# KiCad board k8split.kicad_pcb
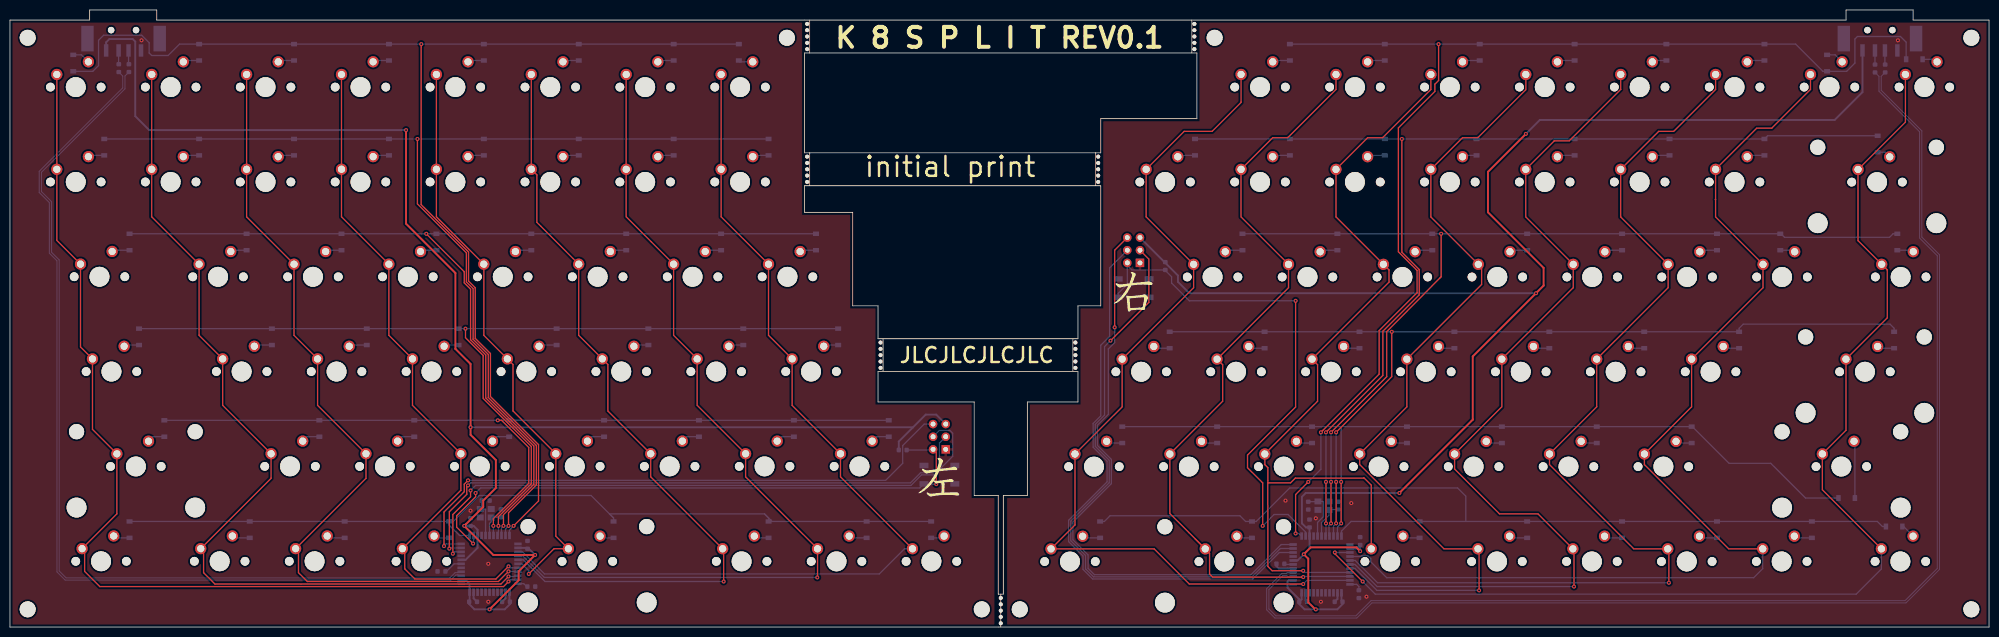
[diagram p0: board, top side]
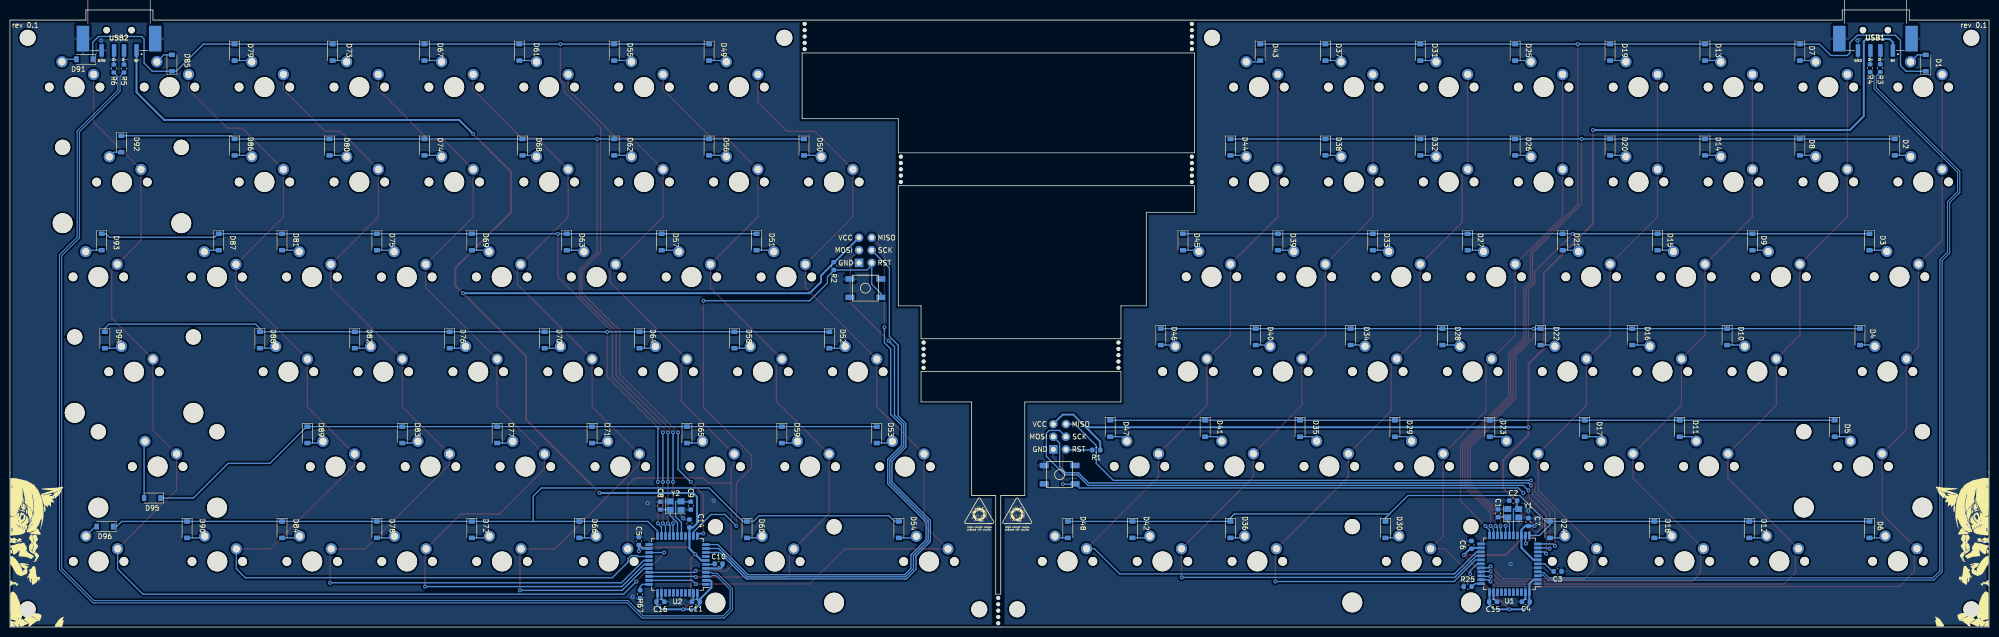
[diagram p1: board, bottom side, seen from below]

Outline 397.26 x 123.95 mm; copper layers: Top, Bottom. Coordinates in mm from the lower left corner of the outline.
Outline path: 0,121.92 0,0 397.26,0 397.26,121.92 382.02,121.92 382.02,123.95 368.55,123.95 368.55,121.92 29.46,121.92 29.46,123.95 16,123.95 16,121.92 0,121.92 ; 159.51,95.25 159.51,115.32 238.25,115.32 238.25,102.11 218.95,102.11 218.95,95.25 159.51,95.25 ; 159.51,83.31 159.51,88.65 218.95,88.65 218.95,64.52 214.38,64.52 214.38,57.91 174.24,57.91 174.24,64.52 169.16,64.52 169.16,83.31 159.51,83.31 ; 174.24,51.31 214.38,51.31 214.38,45.21 204.22,45.21 204.22,26.42 199.39,26.42 199.39,6.6 198.37,6.6 198.37,26.42 193.55,26.42 193.55,45.21 174.24,45.21 174.24,51.31

## Placement (name value [footprint] x y rotation side)
C1  22pF  [C_0603_1608Metric]  98.55 22.86 90 bottom
C2  22pF  [C_0603_1608Metric]  95.5 25.4 0 bottom
C3  1uF  [C_0603_1608Metric]  86.61 11.18 180 bottom
C4  0.1uF  [C_0603_1608Metric]  92.96 5.08 0 bottom
C5  0.1uF  [C_0603_1608Metric]  271.02 17.27 90 bottom
C6  0.1uF  [C_0603_1608Metric]  103.89 16.51 90 bottom
C7  10uF  [C_0603_1608Metric]  92.46 21.08 90 bottom
C8  22pF  [C_0603_1608Metric]  266.7 24.38 90 bottom
C9  22pF  [C_0603_1608Metric]  260.6 24.38 270 bottom
C10  1uF  [C_0603_1608Metric]  255.02 12.7 180 bottom
C11  0.1uF  [C_0603_1608Metric]  259.59 5.08 0 bottom
C14  10uF  [C_0603_1608Metric]  260.86 20.8 90 bottom
C15  0.1uF  [C_0603_1608Metric]  99.57 5.08 180 bottom
C16  0.1uF  [C_0603_1608Metric]  266.7 5.08 180 bottom
D1  SOD123  [D_SOD-123]  12.7 113.28 90 bottom
D2  SOD123  [D_SOD-123]  18.92 96.39 270 bottom
D3  SOD123  [D_SOD-123]  24 77.34 270 bottom
D4  SOD123  [D_SOD-123]  25.91 58.29 270 bottom
D5  SOD123  [D_SOD-123]  30.99 39.88 270 bottom
D6  SOD123  [D_SOD-123]  24 19.56 270 bottom
D7  SOD123  [D_SOD-123]  37.97 115.44 270 bottom
D8  SOD123  [D_SOD-123]  37.97 96.39 270 bottom
D9  SOD123  [D_SOD-123]  47.5 77.34 270 bottom
D10  SOD123  [D_SOD-123]  52.58 58.29 270 bottom
D11  SOD123  [D_SOD-123]  62.1 39.88 270 bottom
D12  SOD123  [D_SOD-123]  48.13 19.56 270 bottom
D13  SOD123  [D_SOD-123]  57.02 115.44 270 bottom
D14  SOD123  [D_SOD-123]  57.02 96.39 270 bottom
D15  SOD123  [D_SOD-123]  66.55 77.34 270 bottom
D16  SOD123  [D_SOD-123]  71.63 58.29 270 bottom
D17  SOD123  [D_SOD-123]  81.15 39.88 270 bottom
D18  SOD123  [D_SOD-123]  67.18 19.56 270 bottom
D19  SOD123  [D_SOD-123]  76.07 115.44 270 bottom
D20  SOD123  [D_SOD-123]  76.07 96.39 270 bottom
D21  SOD123  [D_SOD-123]  85.6 77.34 270 bottom
D22  SOD123  [D_SOD-123]  90.04 58.29 270 bottom
D23  SOD123  [D_SOD-123]  100.2 39.88 270 bottom
D24  SOD123  [D_SOD-123]  88.14 19.56 270 bottom
D25  SOD123  [D_SOD-123]  95.12 115.44 270 bottom
D26  SOD123  [D_SOD-123]  95.12 96.39 270 bottom
D27  SOD123  [D_SOD-123]  104.65 77.34 270 bottom
D28  SOD123  [D_SOD-123]  109.73 58.29 270 bottom
D29  SOD123  [D_SOD-123]  119.25 39.88 270 bottom
D30  SOD123  [D_SOD-123]  121.16 19.56 270 bottom
D31  SOD123  [D_SOD-123]  114.17 115.44 270 bottom
D32  SOD123  [D_SOD-123]  114.17 96.39 270 bottom
D33  SOD123  [D_SOD-123]  123.7 77.34 270 bottom
D34  SOD123  [D_SOD-123]  128.14 58.29 270 bottom
D35  SOD123  [D_SOD-123]  138.3 39.88 270 bottom
D36  SOD123  [D_SOD-123]  152.27 19.56 270 bottom
D37  SOD123  [D_SOD-123]  133.22 115.44 270 bottom
D38  SOD123  [D_SOD-123]  133.22 96.39 270 bottom
D39  SOD123  [D_SOD-123]  142.75 77.34 270 bottom
D40  SOD123  [D_SOD-123]  147.19 58.29 270 bottom
D41  SOD123  [D_SOD-123]  157.35 39.88 270 bottom
D42  SOD123  [D_SOD-123]  171.96 19.56 270 bottom
D43  SOD123  [D_SOD-123]  146.3 115.44 270 bottom
D44  SOD123  [D_SOD-123]  152.27 96.39 270 bottom
D45  SOD123  [D_SOD-123]  161.8 77.34 270 bottom
D46  SOD123  [D_SOD-123]  166.24 58.29 270 bottom
D47  SOD123  [D_SOD-123]  176.4 39.88 270 bottom
D48  SOD123  [D_SOD-123]  184.91 19.56 270 bottom
D49  SOD123  [D_SOD-123]  256.92 115.44 270 bottom
D50  SOD123  [D_SOD-123]  237.87 96.39 270 bottom
D51  SOD123  [D_SOD-123]  247.4 77.34 270 bottom
D52  SOD123  [D_SOD-123]  232.79 57.66 270 bottom
D53  SOD123  [D_SOD-123]  223.27 38.61 270 bottom
D54  SOD123  [D_SOD-123]  218.82 19.56 270 bottom
D55  SOD123  [D_SOD-123]  275.97 115.44 270 bottom
D56  SOD123  [D_SOD-123]  256.92 96.39 270 bottom
D57  SOD123  [D_SOD-123]  266.45 77.34 270 bottom
D58  SOD123  [D_SOD-123]  251.84 57.66 270 bottom
D59  SOD123  [D_SOD-123]  242.32 38.61 270 bottom
D60  SOD123  [D_SOD-123]  249.3 19.56 270 bottom
D61  SOD123  [D_SOD-123]  295.02 115.44 270 bottom
D62  SOD123  [D_SOD-123]  275.97 96.39 270 bottom
D63  SOD123  [D_SOD-123]  285.5 77.34 270 bottom
D64  SOD123  [D_SOD-123]  270.89 57.66 270 bottom
D65  SOD123  [D_SOD-123]  261.37 38.61 270 bottom
D66  SOD123  [D_SOD-123]  282.96 19.56 270 bottom
D67  SOD123  [D_SOD-123]  314.07 115.44 270 bottom
D68  SOD123  [D_SOD-123]  294.39 96.39 270 bottom
D69  SOD123  [D_SOD-123]  304.55 77.34 270 bottom
D70  SOD123  [D_SOD-123]  289.94 57.66 270 bottom
D71  SOD123  [D_SOD-123]  280.42 38.61 270 bottom
D72  SOD123  [D_SOD-123]  304.55 19.56 270 bottom
D73  SOD123  [D_SOD-123]  332.49 115.44 270 bottom
D74  SOD123  [D_SOD-123]  314.07 96.39 270 bottom
D75  SOD123  [D_SOD-123]  323.6 77.34 270 bottom
D76  SOD123  [D_SOD-123]  308.99 57.66 270 bottom
D77  SOD123  [D_SOD-123]  299.47 38.61 270 bottom
D78  SOD123  [D_SOD-123]  323.6 19.56 270 bottom
D79  SOD123  [D_SOD-123]  352.17 115.44 270 bottom
D80  SOD123  [D_SOD-123]  333.12 96.39 270 bottom
D81  SOD123  [D_SOD-123]  342.65 77.34 270 bottom
D82  SOD123  [D_SOD-123]  328.04 57.66 270 bottom
D83  SOD123  [D_SOD-123]  318.52 38.61 270 bottom
D84  SOD123  [D_SOD-123]  342.65 19.56 270 bottom
D85  SOD123  [D_SOD-123]  364.74 113.28 90 bottom
D86  SOD123  [D_SOD-123]  352.17 96.39 270 bottom
D87  SOD123  [D_SOD-123]  355.35 77.34 270 bottom
D88  SOD123  [D_SOD-123]  347.09 57.66 270 bottom
D89  SOD123  [D_SOD-123]  337.57 38.61 270 bottom
D90  SOD123  [D_SOD-123]  361.7 19.56 270 bottom
D91  SOD123  [D_SOD-123]  382.27 114.05 0 bottom
D92  SOD123  [D_SOD-123]  374.9 97.03 270 bottom
D93  SOD123  [D_SOD-123]  378.84 77.34 270 bottom
D94  SOD123  [D_SOD-123]  378.21 57.66 270 bottom
D95  SOD123  [D_SOD-123]  368.68 25.91 0 bottom
D96  SOD123  [D_SOD-123]  378.21 20.19 0 bottom
G***  LOGO  [r]  225.3 67.31 0 top
G***#2  LOGO  [l]  186.44 29.97 0 top
G***#3  LOGO  [pppp]  6.07 16.51 180 bottom
G***#4  LOGO  [ppp]  391.29 16.48 180 bottom
G***#5  LOGO  [corona]  202.69 23.37 180 bottom
G***#6  LOGO  [corona]  195.07 23.37 180 bottom
H1  MountingHole  [MountingHole_3.2mm_M3]  3.56 118.36 0 top
H2  MountingHole  [MountingHole_3.2mm_M3]  3.56 3.56 0 top
H3  MountingHole  [MountingHole_3.2mm_M3]  155.96 118.36 0 top
H4  MountingHole  [MountingHole_3.2mm_M3]  195.07 3.56 0 top
H5  MountingHole  [MountingHole_3.2mm_M3]  241.81 118.36 0 top
H6  MountingHole  [MountingHole_3.2mm_M3]  202.69 3.56 0 top
H7  MountingHole  [MountingHole_3.2mm_M3]  393.7 118.36 0 top
H8  MountingHole  [MountingHole_3.2mm_M3]  393.7 3.56 0 top
J1  AVR-ISP-6  [Reset_Pretty]  186.56 38.23 0 top
J2  AVR-ISP-6  [Reset_Pretty]  225.55 75.69 0 top
J3  Breakaway_Tabs  [breakaway-mousebites]  160.27 91.95 90 top
J4  Breakaway_Tabs  [breakaway-mousebites]  199.14 3.3 90 top
J5  Breakaway_Tabs  [breakaway-mousebites]  175.01 54.61 90 top
J6  Breakaway_Tabs  [breakaway-mousebites]  213.61 54.61 270 top
J7  Breakaway_Tabs  [breakaway-mousebites]  218.19 91.95 270 top
J8  Breakaway_Tabs  [breakaway-mousebites]  160.27 118.62 90 top
J9  Breakaway_Tabs  [breakaway-mousebites]  237.49 118.62 270 top
MX1  MX-NoLED  [MXOnly-1U-NoLED]  13.21 108.46 0 top
MX2  MX-NoLED  [MXOnly-1U-NoLED]  13.21 89.41 0 top
MX3  MX-NoLED  [MXOnly-1.5U-NoLED]  17.97 70.37 0 top
MX4  MX-NoLED  [MXOnly-1.75U-NoLED]  20.37 51.32 0 top
MX5  MX-NoLED  [MXOnly-2.25U-NoLED]  25.27 32.26 0 top
MX6  MX-NoLED  [MXOnly-1.5U-NoLED]  18.29 13.21 0 top
MX7  MX-NoLED  [MXOnly-1U-NoLED]  32.26 108.46 0 top
MX8  MX-NoLED  [MXOnly-1U-NoLED]  32.26 89.41 0 top
MX9  MX-NoLED  [MXOnly-1U-NoLED]  41.77 70.35 0 top
MX10  MX-NoLED  [MXOnly-1U-NoLED]  46.51 51.32 0 top
MX11  MX-NoLED  [MXOnly-1U-NoLED]  56.22 32.27 0 top
MX12  MX-NoLED  [MXOnly-1U-NoLED]  42.1 13.21 0 top
MX13  MX-NoLED  [MXOnly-1U-NoLED]  51.31 108.46 0 top
MX14  MX-NoLED  [MXOnly-1U-NoLED]  51.31 89.41 0 top
MX15  MX-NoLED  [MXOnly-1U-NoLED]  60.82 70.35 0 top
MX16  MX-NoLED  [MXOnly-1U-NoLED]  65.56 51.32 0 top
MX17  MX-NoLED  [MXOnly-1U-NoLED]  75.27 32.27 0 top
MX18  MX-NoLED  [MXOnly-1U-NoLED]  61.15 13.21 0 top
MX19  MX-NoLED  [MXOnly-1U-NoLED]  70.36 108.46 0 top
MX20  MX-NoLED  [MXOnly-1U-NoLED]  70.36 89.41 0 top
MX21  MX-NoLED  [MXOnly-1U-NoLED]  79.87 70.35 0 top
MX22  MX-NoLED  [MXOnly-1U-NoLED]  84.61 51.32 0 top
MX23  MX-NoLED  [MXOnly-1U-NoLED]  94.32 32.27 0 top
MX24  MX-NoLED  [MXOnly-1.25U-NoLED]  82.58 13.2 0 top
MX25  MX-NoLED  [MXOnly-1U-NoLED]  89.41 108.46 0 top
MX26  MX-NoLED  [MXOnly-1U-NoLED]  89.41 89.41 0 top
MX27  MX-NoLED  [MXOnly-1U-NoLED]  98.92 70.35 0 top
MX28  MX-NoLED  [MXOnly-1U-NoLED]  103.66 51.32 0 top
MX29  MX-NoLED  [MXOnly-1U-NoLED]  113.37 32.27 0 top
MX30  MX-NoLED  [MXOnly-2.25U-NoLED]  115.91 13.19 0 top
MX31  MX-NoLED  [MXOnly-1U-NoLED]  108.46 108.46 0 top
MX32  MX-NoLED  [MXOnly-1U-NoLED]  108.46 89.41 0 top
MX33  MX-NoLED  [MXOnly-1U-NoLED]  117.97 70.35 0 top
MX34  MX-NoLED  [MXOnly-1U-NoLED]  122.71 51.32 0 top
MX35  MX-NoLED  [MXOnly-1U-NoLED]  132.42 32.27 0 top
MX36  MX-NoLED  [MXOnly-1U-NoLED]  146.86 13.19 0 top
MX37  MX-NoLED  [MXOnly-1U-NoLED]  127.51 108.46 0 top
MX38  MX-NoLED  [MXOnly-1U-NoLED]  127.51 89.41 0 top
MX39  MX-NoLED  [MXOnly-1U-NoLED]  137.02 70.35 0 top
MX40  MX-NoLED  [MXOnly-1U-NoLED]  141.76 51.32 0 top
MX41  MX-NoLED  [MXOnly-1U-NoLED]  151.47 32.27 0 top
MX42  MX-NoLED  [MXOnly-1U-NoLED]  165.91 13.19 0 top
MX43  MX-NoLED  [MXOnly-1U-NoLED]  146.56 108.46 0 top
MX44  MX-NoLED  [MXOnly-1U-NoLED]  146.56 89.41 0 top
MX45  MX-NoLED  [MXOnly-1U-NoLED]  156.07 70.35 0 top
MX46  MX-NoLED  [MXOnly-1U-NoLED]  160.81 51.32 0 top
MX47  MX-NoLED  [MXOnly-1U-NoLED]  170.52 32.27 0 top
MX48  MX-NoLED  [MXOnly-1U-NoLED]  184.96 13.19 0 top
MX49  MX-NoLED  [MXOnly-1U-NoLED]  250.93 108.46 0 top
MX50  MX-NoLED  [MXOnly-1U-NoLED]  231.87 89.4 0 top
MX51  MX-NoLED  [MXOnly-1U-NoLED]  241.4 70.31 0 top
MX52  MX-NoLED  [MXOnly-1U-NoLED]  227.06 51.28 0 top
MX53  MX-NoLED  [MXOnly-1U-NoLED]  217.59 32.22 0 top
MX54  MX-NoLED  [MXOnly-1U-NoLED]  212.78 13.16 0 top
MX55  MX-NoLED  [MXOnly-1U-NoLED]  269.98 108.46 0 top
MX56  MX-NoLED  [MXOnly-1U-NoLED]  250.92 89.4 0 top
MX57  MX-NoLED  [MXOnly-1U-NoLED]  260.45 70.31 0 top
MX58  MX-NoLED  [MXOnly-1U-NoLED]  246.11 51.28 0 top
MX59  MX-NoLED  [MXOnly-1U-NoLED]  236.64 32.22 0 top
MX60  MX-NoLED  [MXOnly-2.25U-NoLED]  243.74 13.16 0 top
MX61  MX-NoLED  [MXOnly-1U-NoLED]  289.03 108.46 0 top
MX62  MX-NoLED  [MXOnly-1U-NoLED]  269.97 89.4 0 top
MX63  MX-NoLED  [MXOnly-1U-NoLED]  279.5 70.31 0 top
MX64  MX-NoLED  [MXOnly-1U-NoLED]  265.16 51.28 0 top
MX65  MX-NoLED  [MXOnly-1U-NoLED]  255.69 32.22 0 top
MX66  MX-NoLED  [MXOnly-1.25U-NoLED]  277.06 13.17 0 top
MX67  MX-NoLED  [MXOnly-1U-NoLED]  308.08 108.46 0 top
MX68  MX-NoLED  [MXOnly-1U-NoLED]  289.02 89.4 0 top
MX69  MX-NoLED  [MXOnly-1U-NoLED]  298.55 70.31 0 top
MX70  MX-NoLED  [MXOnly-1U-NoLED]  284.21 51.28 0 top
MX71  MX-NoLED  [MXOnly-1U-NoLED]  274.74 32.22 0 top
MX72  MX-NoLED  [MXOnly-1U-NoLED]  298.48 13.17 0 top
MX73  MX-NoLED  [MXOnly-1U-NoLED]  327.13 108.46 0 top
MX74  MX-NoLED  [MXOnly-1U-NoLED]  308.07 89.4 0 top
MX75  MX-NoLED  [MXOnly-1U-NoLED]  317.6 70.31 0 top
MX76  MX-NoLED  [MXOnly-1U-NoLED]  303.26 51.28 0 top
MX77  MX-NoLED  [MXOnly-1U-NoLED]  293.79 32.22 0 top
MX78  MX-NoLED  [MXOnly-1U-NoLED]  317.53 13.17 0 top
MX79  MX-NoLED  [MXOnly-1U-NoLED]  346.18 108.46 0 top
MX80  MX-NoLED  [MXOnly-1U-NoLED]  327.12 89.4 0 top
MX81  MX-NoLED  [MXOnly-1U-NoLED]  336.65 70.31 0 top
MX82  MX-NoLED  [MXOnly-1U-NoLED]  322.31 51.28 0 top
MX83  MX-NoLED  [MXOnly-1U-NoLED]  312.84 32.22 0 top
MX84  MX-NoLED  [MXOnly-1U-NoLED]  336.58 13.17 0 top
MX85  MX-NoLED  [MXOnly-1U-NoLED]  365.23 108.46 0 top
MX86  MX-NoLED  [MXOnly-1U-NoLED]  346.17 89.4 0 top
MX87  MX-NoLED  [MXOnly-1U-NoLED]  355.7 70.31 0 top
MX88  MX-NoLED  [MXOnly-1U-NoLED]  341.36 51.28 0 top
MX89  MX-NoLED  [MXOnly-1U-NoLED]  331.89 32.22 0 top
MX90  MX-NoLED  [MXOnly-1U-NoLED]  355.63 13.17 0 top
MX91  MX-NoLED  [MXOnly-1U-NoLED]  384.28 108.46 0 top
MX92  MX-NoLED  [MXOnly-2U-NoLED]  374.77 89.37 0 top
MX93  MX-NoLED  [MXOnly-1.5U-NoLED]  379.52 70.32 0 top
MX94  MX-NoLED  [MXOnly-2.25U-NoLED]  372.35 51.28 0 top
MX95  MX-NoLED  [MXOnly-2.75U-NoLED]  367.61 32.24 0 top
MX96  MX-NoLED  [MXOnly-1.5U-NoLED]  379.46 13.18 0 top
R1  10k  [R_0603_1608Metric]  179.2 35.56 180 bottom
R2  10k  [R_0603_1608Metric]  231.9 72.52 90 bottom
R3  22  [R_0603_1608Metric]  21.84 112.27 90 bottom
R4  22  [R_0603_1608Metric]  23.88 112.27 90 bottom
R5  22  [R_0603_1608Metric]  374.37 112.19 90 bottom
R6  22  [R_0603_1608Metric]  376.4 112.19 90 bottom
R25  10k  [R_0603_1608Metric]  104.65 8.13 180 bottom
R67  10k  [R_0603_1608Metric]  270.76 6.6 90 bottom
SW1  SW_Push  [SKQGADE010]  186.56 30.61 0 bottom
SW2  SW_Push  [SKQGADE010]  225.55 68.07 0 bottom
U1  ATmega32U4-AU  [TQFP-44_10x10mm_P0.8mm]  96.27 12.7 0 bottom
U2  ATmega32U4-AU  [TQFP-44_10x10mm_P0.8mm]  263.27 12.57 0 bottom
USB1  USB_A_SMT  [CUI_UJ2-AH-4-SMT]  19.3 115.82 0 bottom
USB2  USB_A_SMT  [CUI_UJ2-AH-4-SMT]  371.86 115.82 0 bottom
Y1  16MHz  [Crystal_SMD_3225-4Pin_3.2x2.5mm]  95.5 22.86 180 bottom
Y2  16MHz  [Crystal_SMD_3225-4Pin_3.2x2.5mm]  263.65 24.38 180 bottom

## Footprints (pads in the part's own frame, mm; a bottom-side part is the same pattern mirrored in y, then rotated)
breakaway-mousebites
  round 0.787 hole 0.787 unplated: (-2.54,0.254) (-1.27,0.254) (0,0.254) (1.27,0.254) (2.54,0.254)
C_0603_1608Metric
  rrect 0.875x0.95 smd: 1(-0.787,0) 2(0.787,0)
Crystal_SMD_3225-4Pin_3.2x2.5mm
  rect 1.4x1.2 smd: 1(-1.1,-0.85) 2(1.1,-0.85) 3(1.1,0.85) 4(-1.1,0.85)
CUI_UJ2-AH-4-SMT
  round 1.3 hole 1.3 unplated: (1,-4.08) (6,-4.08)
  rect 0.9x2.5 smd: 1(0,0) 2(2.5,0) 3(4.5,0) 4(7,0)
  rect 2.5x5.15 smd: SH1(-3.75,-2.375) SH2(10.75,-2.375)
D_SOD-123
  rect 0.9x1.2 smd: 1(-1.65,0) 2(1.65,0)
MountingHole_3.2mm_M3
  round 3.2 hole 3.2 unplated: (0,0)
MXOnly-1.5U-NoLED
  round 1.75 hole 1.75 unplated: (-5.08,0) (5.08,0)
  round 3.988 hole 3.988 unplated: (0,0)
  round 2.25 hole 1.47: 1(-3.81,2.54) 2(2.54,5.08)
MXOnly-1.25U-NoLED
  round 1.75 hole 1.75 unplated: (-5.08,0) (5.08,0)
  round 3.988 hole 3.988 unplated: (0,0)
  round 2.25 hole 1.47: 1(-3.81,2.54) 2(2.54,5.08)
MXOnly-1.75U-NoLED
  round 1.75 hole 1.75 unplated: (-5.08,0) (5.08,0)
  round 3.988 hole 3.988 unplated: (0,0)
  round 2.25 hole 1.47: 1(-3.81,2.54) 2(2.54,5.08)
MXOnly-1U-NoLED
  round 1.75 hole 1.75 unplated: (-5.08,0) (5.08,0)
  round 3.988 hole 3.988 unplated: (0,0)
  round 2.25 hole 1.47: 1(-3.81,2.54) 2(2.54,5.08)
MXOnly-2.25U-NoLED
  round 3.048 hole 3.048 unplated: (-11.906,6.985) (11.906,6.985)
  round 3.988 hole 3.988 unplated: (-11.906,-8.255) (0,0) (11.906,-8.255)
  round 1.75 hole 1.75 unplated: (-5.08,0) (5.08,0)
  round 2.25 hole 1.47: 1(-3.81,2.54) 2(2.54,5.08)
MXOnly-2.75U-NoLED
  round 3.048 hole 3.048 unplated: (-11.906,6.985) (11.906,6.985)
  round 3.988 hole 3.988 unplated: (-11.906,-8.255) (0,0) (11.906,-8.255)
  round 1.75 hole 1.75 unplated: (-5.08,0) (5.08,0)
  round 2.25 hole 1.47: 1(-3.81,2.54) 2(2.54,5.08)
MXOnly-2U-NoLED
  round 3.048 hole 3.048 unplated: (-11.906,6.985) (11.906,6.985)
  round 3.988 hole 3.988 unplated: (-11.906,-8.255) (0,0) (11.906,-8.255)
  round 1.75 hole 1.75 unplated: (-5.08,0) (5.08,0)
  round 2.25 hole 1.47: 1(-3.81,2.54) 2(2.54,5.08)
R_0603_1608Metric
  rrect 0.875x0.95 smd: 1(-0.787,0) 2(0.787,0)
Reset_Pretty
  round 1.7 hole 1: 1(-1.27,2.54) 2(1.27,2.54) 3(-1.27,0) 4(1.27,0) 5(-1.27,-2.54)
  rect 1.7x1.7 hole 1: 6(1.27,-2.54)
SKQGADE010
  rect 1.8x1.1 smd: 1(3.1,-1.85) 2(-3.1,1.85) 3(3.1,1.85) 4(-3.1,-1.85)
TQFP-44_10x10mm_P0.8mm
  rect 1.5x0.55 smd: 1(-5.7,4) 2(-5.7,3.2) 3(-5.7,2.4) 4(-5.7,1.6) 5(-5.7,0.8) 6(-5.7,0) 7(-5.7,-0.8) 8(-5.7,-1.6) 9(-5.7,-2.4) 10(-5.7,-3.2) 11(-5.7,-4) 23(5.7,-4) 24(5.7,-3.2) 25(5.7,-2.4) 26(5.7,-1.6) 27(5.7,-0.8) 28(5.7,0) 29(5.7,0.8) 30(5.7,1.6) 31(5.7,2.4) 32(5.7,3.2) 33(5.7,4)
  rect 0.55x1.5 smd: 12(-4,-5.7) 13(-3.2,-5.7) 14(-2.4,-5.7) 15(-1.6,-5.7) 16(-0.8,-5.7) 17(0,-5.7) 18(0.8,-5.7) 19(1.6,-5.7) 20(2.4,-5.7) 21(3.2,-5.7) 22(4,-5.7) 34(4,5.7) 35(3.2,5.7) 36(2.4,5.7) 37(1.6,5.7) 38(0.8,5.7) 39(0,5.7) 40(-0.8,5.7) 41(-1.6,5.7) 42(-2.4,5.7) 43(-3.2,5.7) 44(-4,5.7)

## Nets
+5V: C4.1 C6.1 C7.1 C15.1 J1.2 R1.2 U1.2 U1.7 U1.14 U1.24 U1.34 U1.44 USB1.1
+5VA: C5.1 C11.1 C14.1 C16.1 J2.2 R2.2 U2.2 U2.7 U2.14 U2.24 U2.34 U2.44 USB2.1
GND: C1.2 C2.2 C3.2 C4.2 C6.2 C7.2 C15.2 J1.6 R25.1 SW1.1 U1.5 U1.15 U1.23 U1.35 U1.43 USB1.4 USB1.SH1 USB1.SH2 Y1.2 Y1.4
GNDA: C5.2 C8.2 C9.2 C10.2 C11.2 C14.2 C16.2 J2.6 R67.1 SW2.1 U2.5 U2.15 U2.23 U2.35 U2.43 USB2.4 USB2.SH1 USB2.SH2 Y2.2 Y2.4
COL0: MX1.1 MX2.1 MX3.1 MX4.1 MX5.1 MX6.1 U1.32
COL0-R: MX49.1 MX50.1 MX51.1 MX52.1 MX53.1 MX54.1 U2.32
COL1: MX7.1 MX8.1 MX9.1 MX10.1 MX11.1 MX12.1 U1.31
COL1-R: MX55.1 MX56.1 MX57.1 MX58.1 MX59.1 MX60.1 U2.31
COL2: MX13.1 MX14.1 MX15.1 MX16.1 MX17.1 MX18.1 U1.30
COL2-R: MX61.1 MX62.1 MX63.1 MX64.1 MX65.1 MX66.1 U2.30
COL3: MX19.1 MX20.1 MX21.1 MX22.1 MX23.1 MX24.1 U1.29
COL3-R: MX67.1 MX68.1 MX69.1 MX70.1 MX71.1 MX72.1 U2.29
COL4: MX25.1 MX26.1 MX27.1 MX28.1 MX29.1 MX30.1 U1.28
COL4-R: MX73.1 MX74.1 MX75.1 MX76.1 MX77.1 MX78.1 U2.28
COL5: MX31.1 MX32.1 MX33.1 MX34.1 MX35.1 MX36.1 U1.27
COL5-R: MX79.1 MX80.1 MX81.1 MX82.1 MX83.1 MX84.1 U2.27
COL6: MX37.1 MX38.1 MX39.1 MX40.1 MX41.1 MX42.1 U1.26
COL6-R: MX85.1 MX86.1 MX87.1 MX88.1 MX89.1 MX90.1 U2.26
COL7: MX43.1 MX44.1 MX45.1 MX46.1 MX47.1 MX48.1 U1.25
COL7-R: MX91.1 MX92.1 MX93.1 MX94.1 MX95.1 MX96.1 U2.25
D+: R4.1 U1.4
D-: R3.1 U1.3
MISO: J1.1 U1.11
MISO-R: J2.1 U2.11
MOSI: J1.4 U1.10
MOSI-R: J2.4 U2.10
R-D+: R6.1 U2.4
R-D-: R5.1 U2.3
RESET: J1.5 R1.1 SW1.2 U1.13
RESET-R: J2.5 R2.1 SW2.2 U2.13
ROW0: D1.1 D7.1 D13.1 D19.1 D25.1 D31.1 D37.1 D43.1 U1.22
ROW0-R: D49.1 D55.1 D61.1 D67.1 D73.1 D79.1 D85.1 D91.1 U2.12
ROW1: D2.1 D8.1 D14.1 D20.1 D26.1 D32.1 D38.1 D44.1 U1.21
ROW1-R: D50.1 D56.1 D62.1 D68.1 D74.1 D80.1 D86.1 D92.1 U2.18
ROW2: D3.1 D9.1 D15.1 D21.1 D27.1 D33.1 D39.1 D45.1 U1.20
ROW2-R: D51.1 D57.1 D63.1 D69.1 D75.1 D81.1 D87.1 D93.1 U2.19
ROW3: D4.1 D10.1 D16.1 D22.1 D28.1 D34.1 D40.1 D46.1 U1.19
ROW3-R: D52.1 D58.1 D64.1 D70.1 D76.1 D82.1 D88.1 D94.1 U2.20
ROW4: D5.1 D11.1 D17.1 D23.1 D29.1 D35.1 D41.1 D47.1 U1.18
ROW4-R: D53.1 D59.1 D65.1 D71.1 D77.1 D83.1 D89.1 D95.1 U2.21
ROW5: D6.1 D12.1 D18.1 D24.1 D30.1 D36.1 D42.1 D48.1 U1.12
ROW5-R: D54.1 D60.1 D66.1 D72.1 D78.1 D84.1 D90.1 D96.1 U2.22
SCK: J1.3 U1.9
SCK-R: J2.3 U2.9
Net-(C1-Pad1): C1.1 U1.17 Y1.1
Net-(C2-Pad1): C2.1 U1.16 Y1.3
Net-(C3-Pad1): C3.1 U1.6
Net-(C8-Pad1): C8.1 U2.17 Y2.1
Net-(C9-Pad1): C9.1 U2.16 Y2.3
Net-(C10-Pad1): C10.1 U2.6
Net-(D1-Pad2): D1.2 MX1.2
Net-(D2-Pad2): D2.2 MX2.2
Net-(D3-Pad2): D3.2 MX3.2
Net-(D4-Pad2): D4.2 MX4.2
Net-(D5-Pad2): D5.2 MX5.2
Net-(D6-Pad2): D6.2 MX6.2
Net-(D7-Pad2): D7.2 MX7.2
Net-(D8-Pad2): D8.2 MX8.2
Net-(D9-Pad2): D9.2 MX9.2
Net-(D10-Pad2): D10.2 MX10.2
Net-(D11-Pad2): D11.2 MX11.2
Net-(D12-Pad2): D12.2 MX12.2
Net-(D13-Pad2): D13.2 MX13.2
Net-(D14-Pad2): D14.2 MX14.2
Net-(D15-Pad2): D15.2 MX15.2
Net-(D16-Pad2): D16.2 MX16.2
Net-(D17-Pad2): D17.2 MX17.2
Net-(D18-Pad2): D18.2 MX18.2
Net-(D19-Pad2): D19.2 MX19.2
Net-(D20-Pad2): D20.2 MX20.2
Net-(D21-Pad2): D21.2 MX21.2
Net-(D22-Pad2): D22.2 MX22.2
Net-(D23-Pad2): D23.2 MX23.2
Net-(D24-Pad2): D24.2 MX24.2
Net-(D25-Pad2): D25.2 MX25.2
Net-(D26-Pad2): D26.2 MX26.2
Net-(D27-Pad2): D27.2 MX27.2
Net-(D28-Pad2): D28.2 MX28.2
Net-(D29-Pad2): D29.2 MX29.2
Net-(D30-Pad2): D30.2 MX30.2